# KiCad board robot-hub_rev3.kicad_pcb (continued)
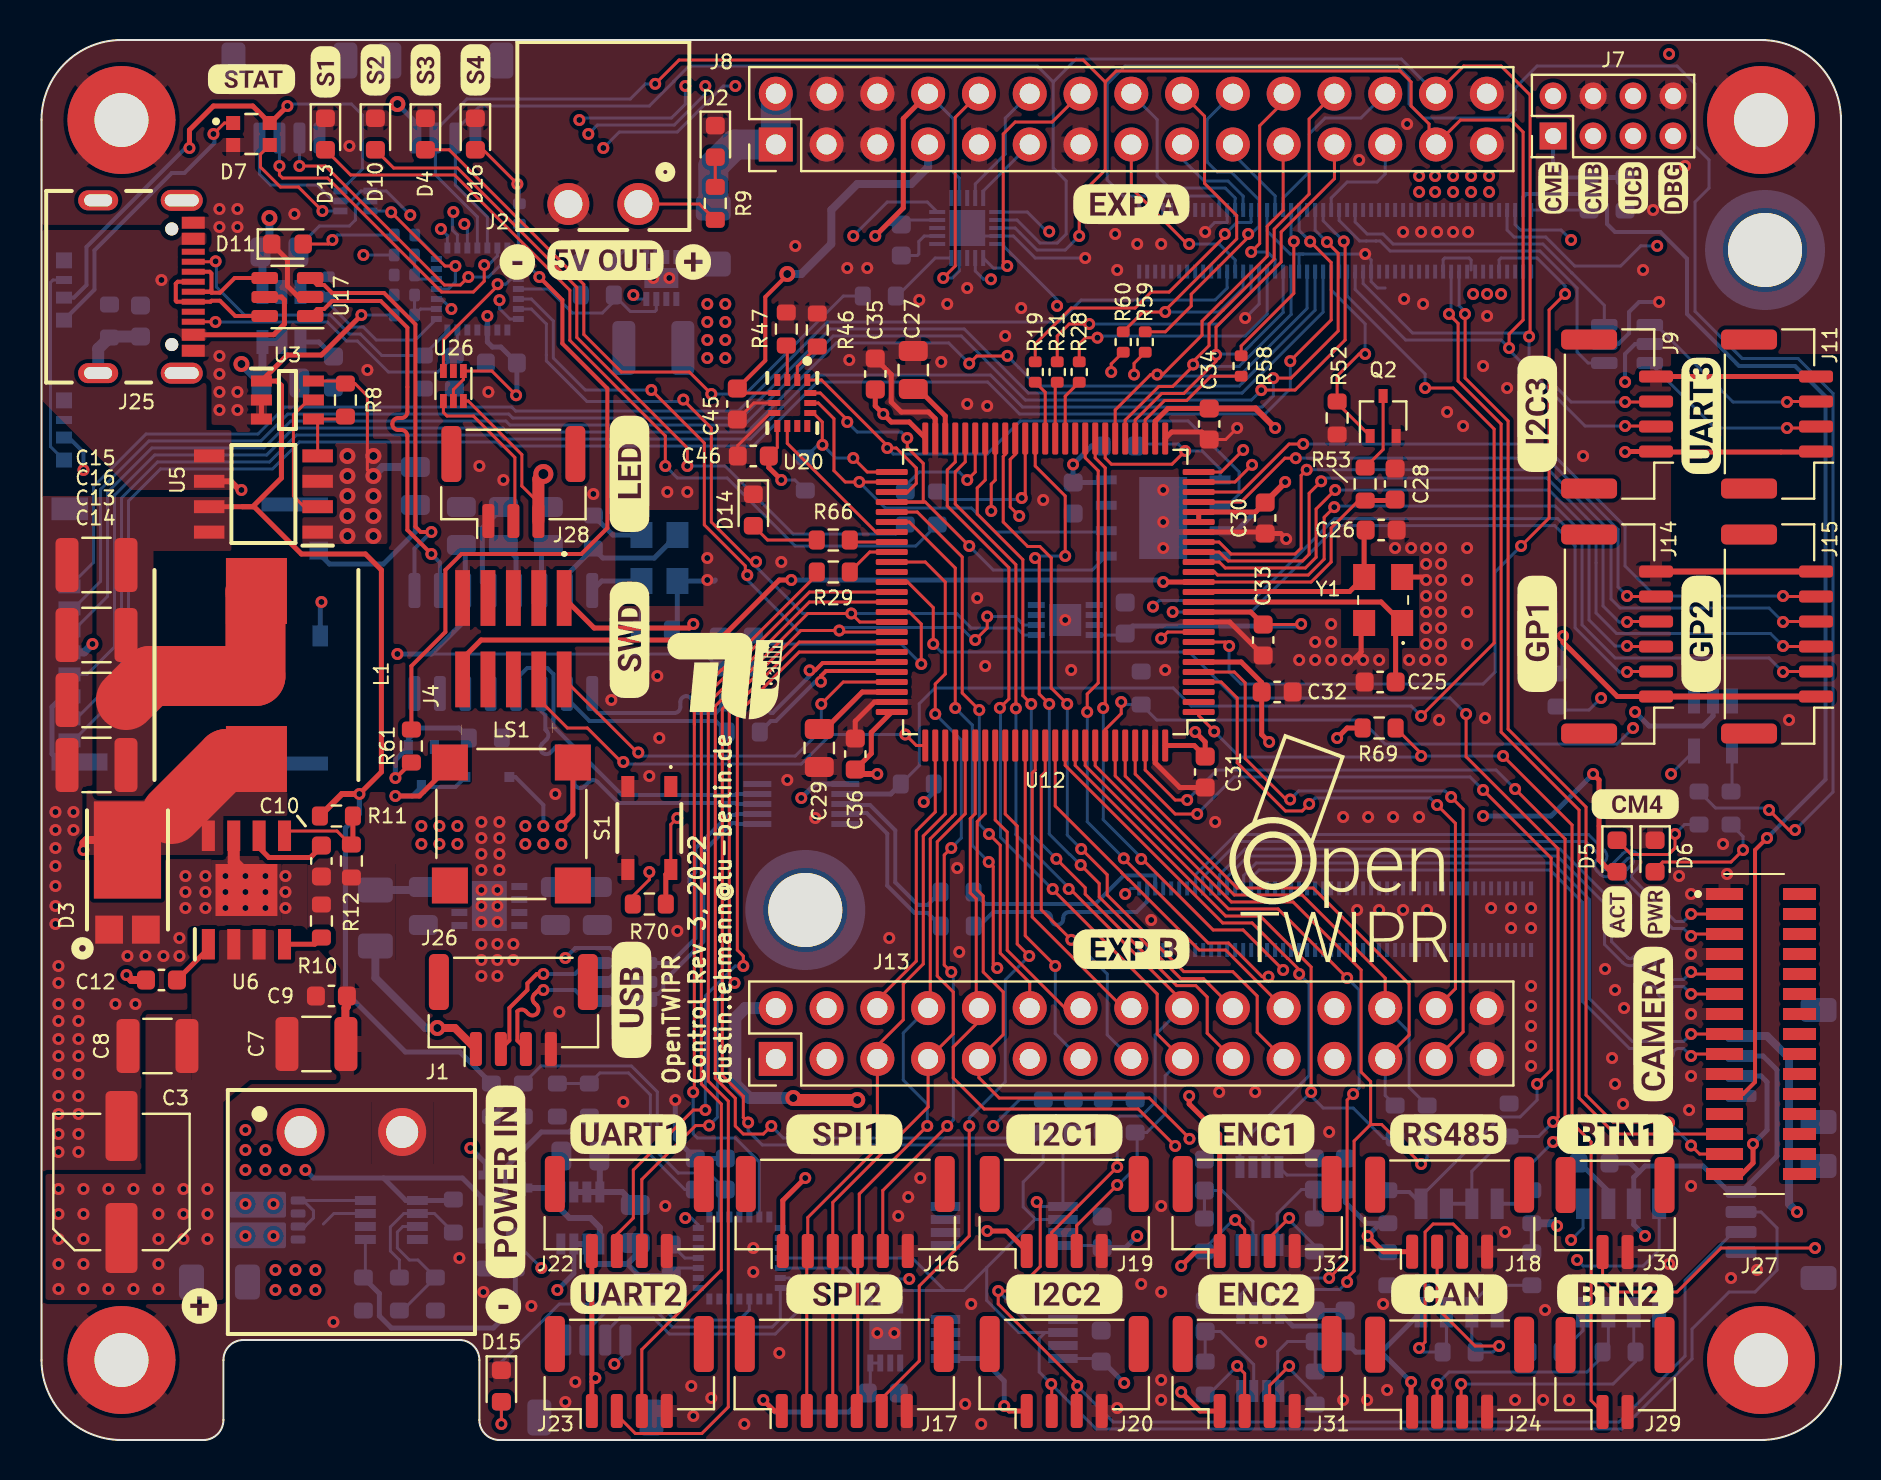
[diagram p0: board, top side]
## Routing (per net, layer and track width the routed paths; a pad name or vN(x,y) marks a point on that pad's centre or on a via; arc(x,y) is an arc through that point) (continued)
Net-(D7-DO): length 14
  Top w0.15: v1(8.6,65.3) 9.15,65.85 D7.1
  Bottom w0.2: D8.1 2.65,57.52 2.65,59.48 6.52,63.35 7.15,63.35 8.65,64.85 8.65,65.25 v1(8.6,65.3)
Net-(D9-A): length 7.4
  Top w0.25: v1(17.7,32.2) 18.9,32.2 20.42,33.72 LS1.N
  Bottom w0.2: Q3.3 20.7,32.65 D9.2
  Bottom w0.25: Q3.3 18.55,32.2 v1(17.7,32.2)
Net-(D10-A): length 36.6
  Top w0.15: D10.2 17.61,63.6 20.81,63.6 26.77,57.63 26.77,55.13 32.3,49.6 v1(32.3,48.7)
  Bottom w0.15: v1(32.3,48.7) 34.19,48.7 37.59,45.3 42.73,45.3 R63.2
Net-(D11-A): length 4.7
  Top w0.15: D11.2 14.35,59.8 v1(14.55,60)
  Bottom w0.15: v1(14.55,60) 14.8,60.25 R64.2
Net-(D12-DIN): length 9.9
  Bottom w0.15: D12.1 0.45,49.67 0.45,57.88 0.58,58 D8.3
Net-(D13-A): length 41.6
  Top w0.15: v1(31.2,48.7) 31.2,50.21 26.42,54.98 26.42,57.49 20.66,63.25 15.46,63.25 D13.2
  Bottom w0.15: R65.2 43.73,44.7 37.69,44.7 34.29,48.1 31.8,48.1 v1(31.2,48.7)
Net-(D14-A): length 3.5
  Top w0.15: R66.2 36.31,45 D14.2
Net-(D15-A): length 2.2
  Top w0.15: v1(23,0.8) D15.2
  Bottom w0.15: v1(23,0.8) R67.2
Net-(D16-A): length 3.8
  Top w0.15: D16.2 22.09,64.51 v1(23.8,62.8)
  Bottom w0.15: v1(23.8,62.8) 23.9,62.7 R68.2
Net-(J7-Pin_6): length 41.1
  In1.Cu w0.25: J7.6 80.6,66.2 80.6,63.4 82.5,61.5 82.5,36.6 80.8,34.9 79,34.9 78,35.9 v1(78,37.1)
  Bottom w0.15: v1(78,37.1) 77.4,36.5 75.98,36.5 R39.2
Net-(J26-Pin_1): length 8.1
  Top w0.4: J26.1 20.67,20.6 v2(19.8,20.6)
  Bottom w0.4: F3.2 16.7,23.1 19.2,20.6 v2(19.8,20.6)
Net-(J28-Pin_2): length 8.3
  Top w0.15: U26.4 20.1,51.38 20.28,51.2 21.6,51.2 23.67,49.13 23.67,46.02 J28.2
Net-(J31-Pin_2): length 4.6
  Top w0.15: v1(59.8,3.7) 60.17,3.32 J31.2
  Bottom w0.15: v1(59.8,3.7) 58.38,2.28 R77.2
Net-(J31-Pin_3): length 5.1
  Top w0.15: J31.3 61.42,2.73 v1(62.4,3.7)
  Bottom w0.15: R75.2 63.7,2.28 62.4,3.58 v1(62.4,3.7)
Net-(J32-Pin_2): length 4
  Top w0.15: v1(59.7,11) 60.17,10.53 J32.2
  Bottom w0.15: 58.16,9.42 58.16,9.56 59.6,11 v1(59.7,11)
Net-(J32-Pin_3): length 4.3
  Top w0.15: v1(62.4,11.1) 61.42,10.12 J32.3
  Bottom w0.15: v1(62.4,11.1) 62.4,11 63.66,9.74 63.66,9.42
Net-(Module1A-Global_EN): length 2.9
  Bottom w0.15: Module1.99 77.38,61.5 R56.1
Net-(Module1A-PI_nLED_Activity): length 93.8
  Top w0.15: v1(87.7,30.5) 87.4,30.5 v1(86.4,31.5)
  Bottom w0.15: v1(87.7,30.5) 89.6,32.4 89.6,52.33 87.86,54.07 85.06,54.07 82.7,56.43 82.7,61.9 83.4,62.6 83.4,64 82.7,64.7 82.7,67.8 81.8,68.7 74.8,68.7 73.7,67.6 73.7,66.5 73.3,66.1 69.1,66.1 68.4,66.8 68.4,68.1 67.8,68.7 54.2,68.7 53.3,67.8 53.3,63 54.1,62.2 58.8,62.2 58.9,62.1 Module1.21 ; R54.2 83.73,31.6 86.3,31.6 v1(86.4,31.5)
Net-(Module1B-USB2_N): length 10.6
  Bottom w0.2: Module1.103 55.3,26.93 54.77,26.4 51.4,26.4 arc(51.19,26.31) 51.1,26.1 51.1,26.06 arc(51.01,25.84) 50.8,25.76 arc(50.59,25.84) 50.5,26.06 50.5,26.1 arc(50.41,26.31) 50.2,26.4 47.6,26.4 46.9,25.7 R50.1
Net-(Module1B-USB2_P): length 10.6
  Bottom w0.2: R51.1 47.22,26.8 52.7,26.8 54.13,28.23 55.7,28.23 Module1.105
Net-(Q2-D): length 3.9
  Top w0.15: Q2.3 67.1,49.52 R53.1
Net-(Q3-B): length 6.8
  Top w0.2: v1(17.7,33.1) 17.73,33.1 18.5,33.88
  Bottom w0.25: R62.1 20.88,35.6 18.9,35.6 18.35,35.05 Q3.1 17.7,34 v1(17.7,33.1)
Net-(U1-IN): length 7.7
  Bottom w0.3: U1.1 25.98,11.53 26.4,11.1 27.45,11.1 27.92,10.62 U1.5 ; U1.1 25.78,12.6 D1.3 ; U1.1 26,12.42 C1.1
Net-(U2-GATE): length 5.6
  Bottom w0.15: 12.84,10.67 13.17,10.67 13.6,11.1 13.6,11.47 13.09,11.97 12.84,11.97 U2.8
Net-(U2-OV): length 6.9
  Bottom w0.15: R5.2 18.05,6.47 R6.1 18.83,9 18.4,9 17.8,9.6 17.8,10.4 18.08,10.67 U2.3
Net-(U2-UV): length 6.5
  Bottom w0.15: R4.2 19.65,11.32 U2.2 18.12,11.32 17.45,10.65 17.45,9.45 17.9,9 R5.1
Net-(U2-VOUT): length 2.3
  Bottom w0.15: U2.7 14.62,11.32 14.1,10.8
  vias: v1(10.2,10.2) v1(11.6,10.2) v1(11.7,8.5) v1(11.7,7.5) v1(12.7,8.5) v1(12.7,7.5) v1(13.7,8.5) v1(13.7,7.5)
Net-(U2-~{SHDN}): length 15.1
  Bottom w0.15: U2.5 16.2,8.22 R2.2
  Bottom w0.25: R2.2 16.9,7.33 16.9,6.2 17.5,5.6 22.6,5.6 23.7,6.7 R1.1 R3.1
Net-(U3-GATE): length 6.1
  Top w0.15: 13.14,46.66 12.6,47.2 12.6,51.25 13.35,52 U3.5
Net-(U4-CT): length 3
  Bottom w0.15: U4.6 30.75,59.7 30.65,59.8 29.48,59.8 28.67,59
Net-(U6-BOOT): length 2.4
  Top w0.25: C12.1 8.34,24.57 U6.1
Net-(U6-FB): length 5.2
  Top w0.15: 15.5,29.72 14.78,30.45 12.39,30.45 U6.5
  Top w0.25: R11.2 15.58,29.8 15.5,29.72
Net-(U6-RT/SYNC): length 2.4
  Top w0.15: 14,25.07 13.71,24.79
  Top w0.25: R10.1 13.66,24.79 U6.4
Net-(U6-SS): length 4.1
  Top w0.25: U6.6 10.89,29.61 11.38,29.12 13.45,29.12 14,29.67
Net-(U6-SW): length 16.4
  Top w0.4: v1(4.25,23.25) 4.5,23 C12.2 ; v1(2.1,29.5) 2.1,29.85 2.25,30 3.8,30 D3.3
  Top w3: 6.5,31.3 9.25,34.05 L1.1
  In1.Cu w0.4: v1(2.1,29.5) 2.1,25.4 v1(4.25,23.25)
Net-(U10-CT): length 2
  Bottom w0.25: U10.4 13.88,54.9 C23.1
Net-(U12-PB2): length 3.1
  Top w0.15: U12.36 51.2,52.19 R28.2
Net-(U12-PE7): length 2.9
  Top w0.15: U12.37 50.7,52.79 R21.1
Net-(U12-PE8): length 3
  Top w0.15: R19.1 50.2,52.39 U12.38
Net-(U12-PH0): length 13.7
  Top w0.25: C25.1 67.73,40.52 Y1.1 67,41.9 U12.12
Net-(U12-PH1): length 11
  Top w0.25: U12.13 57.9,42.42 65.42,42.42 Y1.3 66.15,45.42 C26.1
Net-(U12-VCAP1): length 3.3
  Top w0.25: C27.2 43.85,52.55 45.2,51.2 U12.48
Net-(U12-VCAP2): length 4.4
  Top w0.25: C29.2 39.2,35.55 41.05,37.4 U12.73
Net-(U13-PA7): length 37.5
  Top w0.15: v1(32.59,17.39) 32.65,17.45 32.65,37.15 34,38.5 34.02,38.5 38.99,43.47
  Bottom w0.15: v1(32.59,17.39) 32.59,15.31 32.8,15.1 34.7,15.1 35.9,13.9 U13.13
Net-(U16-VDD18): length 2.4
  Bottom w0.25: C44.1 25.01,44.41 U16.14
Net-(U16-VDD33): length 2.5
  Bottom w0.25: U16.13 23.73,44.11 C43.1
Net-(U16-XIN): length 5.2
  Bottom w0.25: U16.16 28.02,42.95 Y2.1 30,40.62 R44.2
Net-(U16-XOUT): length 7.5
  Bottom w0.25: U16.15 26.28,43.25 R43.1 28.08,44.1 30.65,44.1 Y2.3
Net-(U20-GND_1): length 2.1
  Top w0.15: U20.2 37.8,53.67 R46.1
Net-(U20-GND_2): length 1.7
  Top w0.15: U20.3 37.3,54.67
Net-(U23-I/O[3]): length 3.6
  Bottom w0.15: U23.10 44.7,59.1 42.8,57.2 R49.1
Net-(U24-OUT~{Y}): length 2
  Bottom w0.15: U24.4 84.55,32.47
Net-(U27-1A): length 5.6
  Bottom w0.15: R75.1 C53.1 62.33,4.92 61.83,4.43 61.83,2.55 U27.1
Net-(U27-2A): length 5.9
  Bottom w0.15: U27.3 60.63,3.78 58.98,5.42 C55.1 R77.1
Net-(U28-1A): length 5.4
  Bottom w0.15: U28.1 61.8,9.84 61.8,11.31 63.01,12.53 C54.1 R76.1
Net-(U28-2A): length 5.6
  Bottom w0.15: R78.1 C56.1 59.04,12.47 60.59,10.92 U28.3
Net-(U29-Rs): length 2.4
  Bottom w0.15: R73.1 77.1,5.47 U29.8

## Copper pours and planes (outline as drawn; the poured copper is in the pictures)
3V3_CM4 on Bottom, In1.Cu: 73.5,56.8 71.2,56.8 71.2,58.8 73.5,58.8
5V_REG on Top: 9.5,44.45 5.6,44.45 5.6,32.2 2.75,32.2 2.75,47.15 9.5,47.15
5V_SWITCHED on Bottom: 34.6,60.4 28.2,60.4 28.2,63.6 34.6,63.6
5V_USB on Top: 8.25,50.5 9.5,50.5 9.5,47.5 4.5,47.5 0,52 0,60.5 8.25,60.5
+3V3 on Bottom: 27.8,28.4 28.5,28.4 28.5,26.9 26.7,26.9 26.7,29.5
+3V3 on Bottom: 26.7,26.9 23.5,26.9 23.5,31.4 26.7,31.4
+3V3 on In1.Cu: 26.65,29.1 23.6,29.1 23.6,31.4 26.65,31.4
+5V on Top: 17.3,44.8 13.05,44.8 13.05,49.85 17.3,49.85
+5V on Bottom: 21.3,26.9 18.2,26.9 18.2,28.4 18.5,29.3 18.5,31.4 21.3,31.4
+5V on Bottom, In1.Cu: 34.6,53.3 31.1,53.3 31.1,57.4 34.6,57.4
+5V on Bottom, In1.Cu: 73,61.05 68.3,61.05 68.3,63.55 73,63.55
+5V on In1.Cu: 17.6,44.4 13.75,44.4 13.75,49.75 17.6,49.75
+5V on In1.Cu: 21.2,29.2 18.6,29.2 18.6,31.4 21.2,31.4
+5V on In1.Cu: 68.5,61.05 39,61.05 39,61.55 39.1,63.55 68.5,63.55
GND on Top: 17.7,24 13.3,24 13.3,28.8 17.7,28.8
GND on Top: 10.9,13.4 0,13.4 0,45.3 10.9,45.3
GND on Top, Bottom, In2.Cu: 12,26 8.5,26 8.5,29 12,29
GND on Top, Bottom, In2.Cu: 19.6,13.8 16.5,13.8 16.5,16.9 19.6,16.9
GND on Top, Bottom, In2.Cu: 93.5,-2.7 -3,-2.7 -3,72.3 93.5,72.3
POWER_IN on Bottom, In1.Cu: 14.5,11.2 9.4,11.2 9.4,17.1 14.5,17.1
V_PWR on Top: 9.1,16.9 9.1,13.3 5.2,13.3 5.2,21.3 14.4,21.3
V_PWR on Top, Bottom, In1.Cu: 9.1,7 0.2,7 0.2,13.3 9.1,13.3
V_PWR on Top, In1.Cu: 14.75,23.5 14.75,18 7.5,18 7.5,25.5 13,25.5
V_PWR on In1.Cu: 9.1,13.3 2.7,13.3 2.7,21 9.1,21
Net-(U2-VOUT) on Bottom, In1.Cu: 14.5,7 9.4,7 9.4,11 14.5,11
Net-(U4-VOUT_1) on Bottom: 34.6,57.9 31.2,57.9 31.2,60.1 34.6,60.1
Net-(U6-SW) on Top: 12.3,29.25 2.25,29.25 2.25,32.5 12.3,32.5

## Text on the board
F.Silkscreen: OpenTWIPR / Control Rev 3, 2022 / dustin.lehmann@tu-berlin.de
